# KiCad board servo.kicad_pcb (continued)
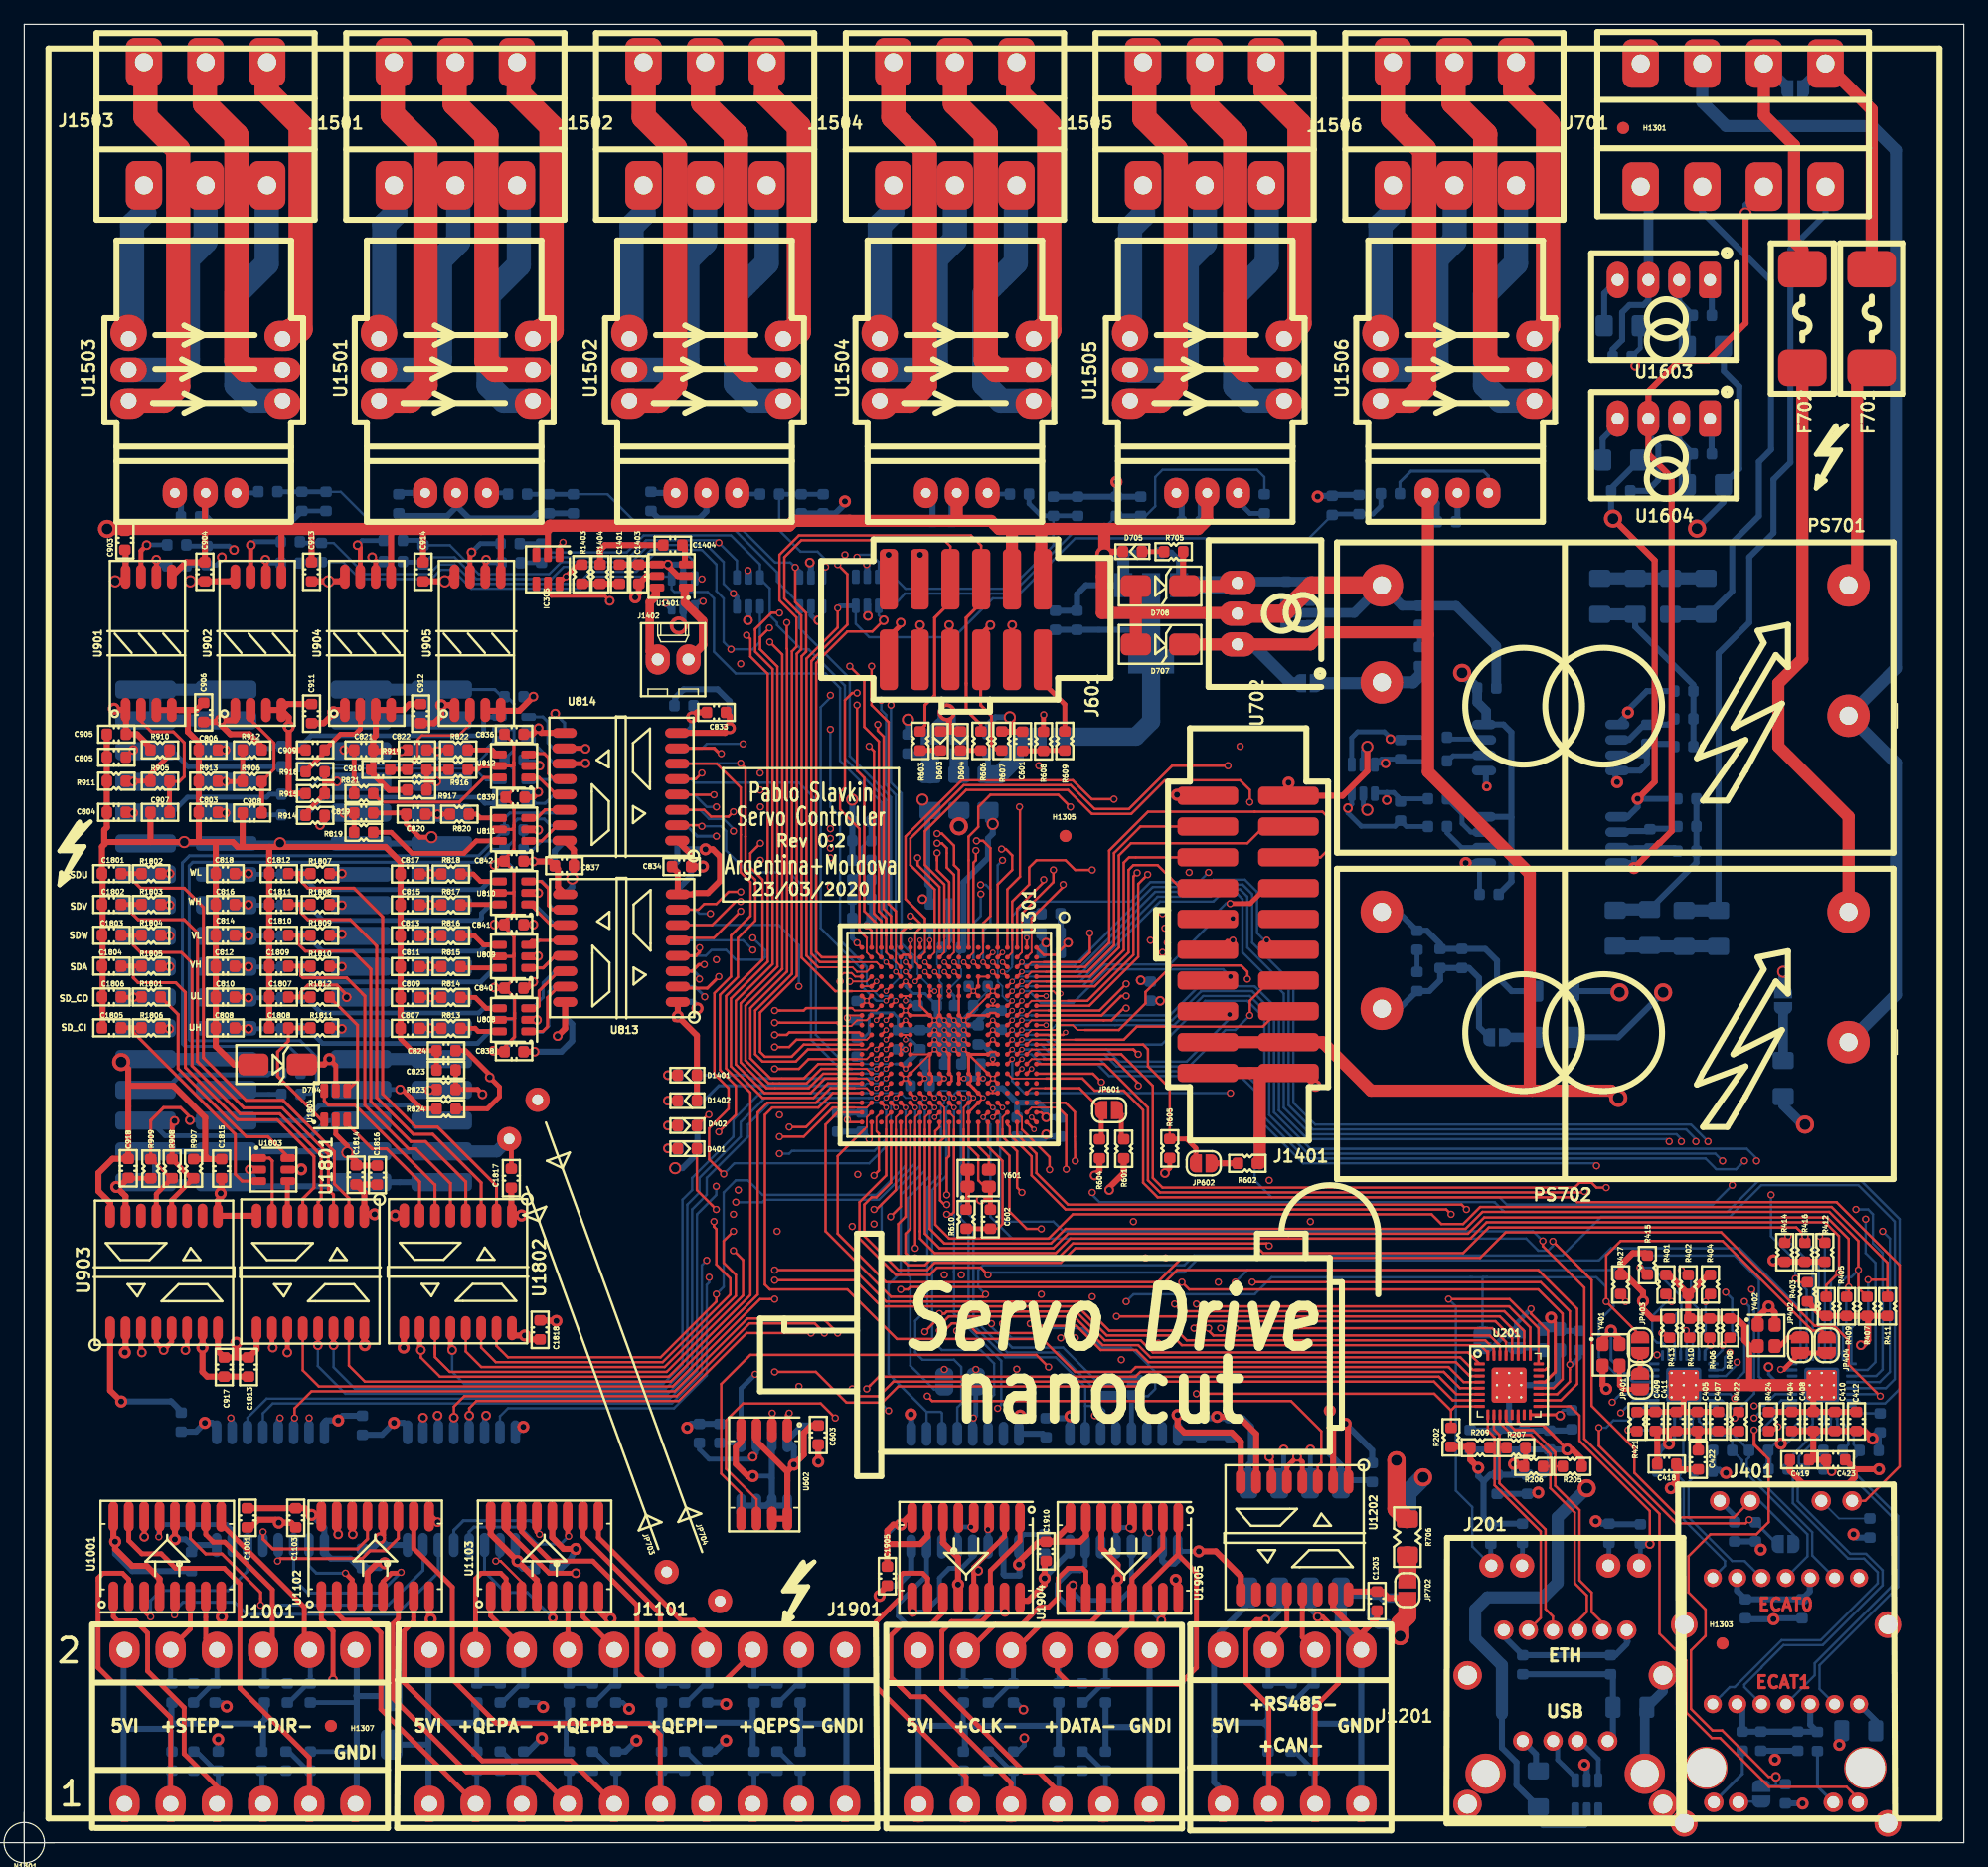
[diagram p0: board, top side]
## Placement (name value [footprint] x y rotation side) (continued)
L1603  50 ohm@100Mhz  [L_1206_3216Metric_Pad1.42x1.75mm_HandSolder]  138.68 123.44 180 bottom
L1604  50 ohm@100Mhz  [L_1206_3216Metric_Pad1.42x1.75mm_HandSolder]  138.68 112.01 180 bottom
logo1301  nanocut  [logo_nanocut]  91.7 40.24 0 top
LOGO1301  Logo_Open_Hardware_Large  [OSHW-Symbol_13.4x12mm_SilkScreen]  62.9 44.64 180 bottom
logo1302  pslavkin_bottom  [logo_pslavkin]  103.1 45.84 0 bottom
logo1303  recycler  [WEEE-Logo_5.6x8mm_SilkScreen]  51 43.44 180 bottom
logo1305  neurona  [logo_neurona_20mm]  63.9 95.04 180 bottom
logo1306  stackup  [layers_stackup]  190.1 143.84 0 top
logo1307  design  [layers_design]  186.9 87.84 0 top
logo1308  pslavkin_top  [logo_pslavkin]  58.9 79.64 0 top
N1301  Housing  [case]  0 0 0 top
PS701  IRM-10-5  [Converter_ACDC_MeanWell_IRM-10-xx_THT]  150.5 92.96 180 top
PS702  IRM-10-5  [Converter_ACDC_MeanWell_IRM-10-xx_THT]  150.5 66.04 180 top
R201  4.87k  [R_0603_1608Metric]  127.66 34.9 270 bottom
R202  10k  [R_0603_1608Metric]  117.7 33.44 270 top
R204  2.2k  [R_0603_1608Metric]  128.3 41.43 90 bottom
R205  49.9  [R_0603_1608Metric]  127.7 31.04 180 top
R206  49.9  [R_0603_1608Metric]  124.5 31.04 0 top
R207  49.9  [R_0603_1608Metric]  123.06 32.59 180 top
R208  2.2k  [R_0603_1608Metric]  133.32 25.48 270 bottom
R209  49.9  [R_0603_1608Metric]  120.09 32.59 0 top
R210  10  [R_1206_3216Metric_Pad1.42x1.75mm_HandSolder]  124.9 4.44 90 bottom
R211  2.2k  [R_0603_1608Metric]  120.98 25.45 270 bottom
R212  470  [R_0603_1608Metric]  130.73 25.53 270 bottom
R213  470  [R_0603_1608Metric]  123.6 25.53 270 bottom
R301  1k  [R_0603_1608Metric]  69.1 81.04 180 bottom
R302  1k(dnp)  [R_0603_1608Metric]  69.1 79.44 180 bottom
R401  2.2k  [R_0603_1608Metric]  135.43 46.05 90 top
R402  2.2k  [R_0603_1608Metric]  137.27 46.05 270 top
R403  2.2k  [R_0603_1608Metric]  147.1 45.44 270 top
R404  2.2k  [R_0603_1608Metric]  139.1 46.05 90 top
R405  2.2k  [R_0603_1608Metric]  148.65 44.24 270 top
R406  2.2k  [R_0603_1608Metric]  139.05 42.44 90 top
R407  2.2k  [R_0603_1608Metric]  152.02 44.24 270 top
R408  2.2k  [R_0603_1608Metric]  140.7 42.44 90 top
R409  2.2k  [R_0603_1608Metric]  150.34 44.24 270 top
R410  2.2k  [R_0603_1608Metric]  137.39 42.44 90 top
R411  2.2k  [R_0603_1608Metric]  153.7 44.24 270 top
R412  2.2k  [R_0603_1608Metric]  148.54 48.72 90 top
R413  2.2k  [R_0603_1608Metric]  135.74 42.44 270 top
R414  2.2k  [R_0603_1608Metric]  145.24 48.72 90 top
R415  2.2k  [R_0603_1608Metric]  133.9 47.65 270 top
R416  2.2k  [R_0603_1608Metric]  146.89 48.72 90 top
R417  4.7k  [R_0603_1608Metric]  57.39 33.77 270 bottom
R418  4.7k  [R_0603_1608Metric]  55.7 33.77 270 bottom
R419  680  [R_0603_1608Metric]  54.75 57.27 0 bottom
R420  680  [R_0603_1608Metric]  54.75 59.2 0 bottom
R421  4.87k  [R_0603_1608Metric]  133.05 34.75 90 top
R422  10k  [R_0603_1608Metric]  141.43 34.75 270 top
R424  4.87k  [R_0603_1608Metric]  143.89 34.75 90 top
R425  10k  [R_0603_1608Metric]  153.1 34.64 270 bottom
R427  2.2k  [R_0603_1608Metric]  131.7 46.05 270 top
R429  49.9  [R_0603_1608Metric]  135.51 30.64 0 bottom
R430  49.9  [R_0603_1608Metric]  144.69 30.82 0 bottom
R431  49.9  [R_0603_1608Metric]  138.5 30.64 180 bottom
R432  49.9  [R_0603_1608Metric]  147.65 30.82 180 bottom
R433  2.2k  [R_0603_1608Metric]  142.81 25.64 90 bottom
R434  2.2k  [R_0603_1608Metric]  145.29 4.04 90 bottom
R435  49.9  [R_0603_1608Metric]  140.11 32.36 0 bottom
R437  49.9  [R_0603_1608Metric]  143.08 32.36 180 bottom
R438  49.9  [R_0603_1608Metric]  149.2 32.36 0 bottom
R440  49.9  [R_0603_1608Metric]  152.18 32.36 180 bottom
R441  470  [R_0603_1608Metric]  147.93 8.36 270 bottom
R442  470  [R_0603_1608Metric]  141.73 8.38 270 bottom
R445  470  [R_0603_1608Metric]  152.25 25.96 90 bottom
R446  470  [R_0603_1608Metric]  141.1 25.64 90 bottom
R601  2.2k  [R_0603_1608Metric]  90.7 57.24 270 top
R602  2.2k  [R_0603_1608Metric]  100.9 56.04 0 top
R603  560  [R_0603_1608Metric]  73.9 90.89 90 top
R604  56k  [R_0603_1608Metric]  88.7 57.24 90 top
R605  56k  [R_0603_1608Metric]  94.5 57.27 90 top
R606  560  [R_0603_1608Metric]  78.92 90.89 270 top
R607  2.2k  [R_0603_1608Metric]  80.65 90.89 90 top
R608  100  [R_0603_1608Metric]  84.09 90.86 270 top
R609  100  [R_0603_1608Metric]  85.84 90.89 90 top
R610  2.2k  [R_0603_1608Metric]  77.7 51.44 270 top
R701  1.2k  [R_0603_1608Metric]  115.1 97.84 90 bottom
R702  1.2k  [R_0603_1608Metric]  114.9 71.04 90 bottom
R703  0  [R_1206_3216Metric_Pad1.42x1.75mm_HandSolder]  126.1 66.44 0 bottom
R704  0  [R_1206_3216Metric_Pad1.42x1.75mm_HandSolder]  126.1 70.24 0 bottom
R705  680  [R_0603_1608Metric]  94.82 106.5 180 top
R706  0  [R_1206_3216Metric_Pad1.42x1.75mm_HandSolder]  114.1 25.21 270 top
R707  0  [R_1206_3216Metric_Pad1.42x1.75mm_HandSolder]  114.1 25.21 270 bottom
R708  0  [R_1206_3216Metric_Pad1.42x1.75mm_HandSolder]  145.1 63.04 270 bottom
R801  22  [R_0603_1608Metric]  22 79.88 180 bottom
R802  22  [R_0603_1608Metric]  22 77.33 180 bottom
R803  22  [R_0603_1608Metric]  22 74.79 180 bottom
R804  22  [R_0603_1608Metric]  22 72.24 180 bottom
R805  22  [R_0603_1608Metric]  22 69.69 180 bottom
R806  22  [R_0603_1608Metric]  22 67.14 180 bottom
R807  22  [R_0603_1608Metric]  22 90.44 180 bottom
R808  22  [R_0603_1608Metric]  22 88.76 180 bottom
R809  22  [R_0603_1608Metric]  22 86.49 180 bottom
R810  22  [R_0603_1608Metric]  22 84.79 180 bottom
R811  22  [R_0603_1608Metric]  22 63.47 180 bottom
R812  22  [R_0603_1608Metric]  22 61.74 180 bottom
R813  22  [R_0603_1608Metric]  35.2 67.18 0 top
R814  22  [R_0603_1608Metric]  35.2 69.72 0 top
R815  22  [R_0603_1608Metric]  35.2 72.27 0 top
R816  22  [R_0603_1608Metric]  35.2 74.81 0 top
R817  22  [R_0603_1608Metric]  35.2 77.36 0 top
R818  22  [R_0603_1608Metric]  35.2 79.91 0 top
R819  22  [R_0603_1608Metric]  28 83.34 0 top
R820  22  [R_0603_1608Metric]  35.9 84.84 0 top
R821  22  [R_0603_1608Metric]  28 86.54 0 top
R822  22  [R_0603_1608Metric]  35.8 90.14 0 top
R823  22  [R_0603_1608Metric]  34.8 62.14 0 top
R824  22  [R_0603_1608Metric]  34.8 60.54 0 top
R901  560  [R_0603_1608Metric]  12.59 107.06 0 bottom
R902  560  [R_0603_1608Metric]  12.59 105.34 0 bottom
R903  560  [R_0603_1608Metric]  21.95 107.31 0 bottom
R904  560  [R_0603_1608Metric]  21.95 105.56 0 bottom
R905  1k  [R_0603_1608Metric]  11.2 87.56 180 top
R906  1k  [R_0603_1608Metric]  18.8 87.54 180 top
R907  2.2k  [R_0603_1608Metric]  13.97 55.6 270 top
R908  120(dnp)  [R_0603_1608Metric]  12.2 55.6 270 top
R909  10k  [R_0603_1608Metric]  10.44 55.6 270 top
R910  18k  [R_0603_1608Metric]  11.2 90.14 0 top
R911  100k  [R_0603_1608Metric]  7.6 87.56 180 top
R912  18k  [R_0603_1608Metric]  18.8 90.14 180 top
R913  100k  [R_0603_1608Metric]  15.19 87.56 180 top
R914  18k  [R_0603_1608Metric]  24 84.74 180 top
R915  100k  [R_0603_1608Metric]  24 86.54 180 top
R916  18k  [R_0603_1608Metric]  35.8 88.54 180 top
R917  100k  [R_0603_1608Metric]  32.4 86.84 180 top
R918  1k  [R_0603_1608Metric]  24 88.34 0 top
R919  1k  [R_0603_1608Metric]  32.4 88.54 0 top
R920  560  [R_0603_1608Metric]  30.44 107.42 0 bottom
R921  560  [R_0603_1608Metric]  30.44 105.69 0 bottom
R922  560  [R_0603_1608Metric]  40.09 107.16 0 bottom
R923  560  [R_0603_1608Metric]  40.16 105.59 0 bottom
R1001  10k  [R_0603_1608Metric]  12.19 6.74 270 bottom
R1002  10k  [R_0603_1608Metric]  14 6.74 90 bottom
R1003  10k  [R_0603_1608Metric]  16 6.74 90 bottom
R1004  10k  [R_0603_1608Metric]  19.6 6.74 270 bottom
R1005  10k  [R_0603_1608Metric]  21.6 6.74 90 bottom
R1006  10k  [R_0603_1608Metric]  23.6 6.74 90 bottom
R1007  10k  [R_0603_1608Metric]  19.81 12.35 90 bottom
R1008  10k  [R_0603_1608Metric]  21.71 12.35 270 bottom
R1009  10k  [R_0603_1608Metric]  23.6 12.35 270 bottom
R1010  10k  [R_0603_1608Metric]  12.19 12.35 90 bottom
R1011  10k  [R_0603_1608Metric]  13.97 12.35 270 bottom
R1012  10k  [R_0603_1608Metric]  15.75 12.35 270 bottom
R1101  10k  [R_0603_1608Metric]  37.34 6.74 270 bottom
R1102  10k  [R_0603_1608Metric]  39.27 6.74 90 bottom
R1103  10k  [R_0603_1608Metric]  41.2 6.74 90 bottom
R1104  10k  [R_0603_1608Metric]  44.96 6.74 270 bottom
R1105  10k  [R_0603_1608Metric]  46.88 6.74 90 bottom
R1106  10k  [R_0603_1608Metric]  48.8 6.74 90 bottom
R1107  10k  [R_0603_1608Metric]  52.58 6.74 270 bottom
R1108  10k  [R_0603_1608Metric]  54.48 6.74 90 bottom
R1109  10k  [R_0603_1608Metric]  56.39 6.74 90 bottom
R1110  10k  [R_0603_1608Metric]  60.2 6.74 270 bottom
R1111  10k  [R_0603_1608Metric]  62.1 6.74 90 bottom
R1112  10k  [R_0603_1608Metric]  64.01 6.74 90 bottom
R1113  10k  [R_0603_1608Metric]  60.2 12.35 90 bottom
R1114  10k  [R_0603_1608Metric]  62.1 12.35 270 bottom
R1115  10k  [R_0603_1608Metric]  64.01 12.35 270 bottom
R1116  10k  [R_0603_1608Metric]  52.58 12.35 90 bottom
R1117  10k  [R_0603_1608Metric]  54.48 12.35 270 bottom
R1118  10k  [R_0603_1608Metric]  56.39 12.35 270 bottom
R1119  10k  [R_0603_1608Metric]  44.96 12.35 90 bottom
R1120  10k  [R_0603_1608Metric]  46.88 12.35 270 bottom
R1121  10k  [R_0603_1608Metric]  48.8 12.35 270 bottom
R1122  10k  [R_0603_1608Metric]  37.34 12.35 90 bottom
R1123  10k  [R_0603_1608Metric]  39.27 12.35 270 bottom
R1124  10k  [R_0603_1608Metric]  41.2 12.35 270 bottom
R1201  10k  [R_0603_1608Metric]  102.62 6.74 270 bottom
R1202  10k  [R_0603_1608Metric]  104.51 6.74 90 bottom
R1203  10k  [R_0603_1608Metric]  106.4 6.74 90 bottom
R1204  10k  [R_0603_1608Metric]  102.62 12.35 90 bottom
R1205  10k  [R_0603_1608Metric]  104.51 12.35 270 bottom
R1206  10k  [R_0603_1608Metric]  106.4 12.35 270 bottom
R1401  560  [R_0603_1608Metric]  54.75 63.32 0 bottom
R1402  560  [R_0603_1608Metric]  54.75 61.21 0 bottom
R1403  1k  [R_0603_1608Metric]  46 104.64 270 top
R1404  100  [R_0603_1608Metric]  47.5 104.64 90 top
R1501  3.3k  [R_0603_1608Metric]  40.7 111.24 0 bottom
R1502  6.8k  [R_0603_1608Metric]  45.3 110.44 270 bottom
R1503  3.3k  [R_0603_1608Metric]  61.49 111.24 0 bottom
R1504  6.8k  [R_0603_1608Metric]  65.9 110.44 270 bottom
R1505  3.3k  [R_0603_1608Metric]  20.1 111.44 0 bottom
R1506  6.8k  [R_0603_1608Metric]  22.9 110.64 270 bottom
R1507  3.3k  [R_0603_1608Metric]  82.1 111.24 0 bottom
R1508  6.8k  [R_0603_1608Metric]  86.9 110.24 90 bottom
R1509  3.3k  [R_0603_1608Metric]  102.3 110.44 90 bottom
R1510  6.8k  [R_0603_1608Metric]  90.1 110.24 90 bottom
R1511  3.3k  [R_0603_1608Metric]  112.7 111.28 180 bottom
R1512  6.8k  [R_0603_1608Metric]  110.11 110.39 90 bottom
R1601  560  [R_0603_1608Metric]  116.59 91.19 0 bottom
R1602  560  [R_0603_1608Metric]  116.59 89.24 0 bottom
R1603  560  [R_0603_1608Metric]  116.59 86.11 0 bottom
R1604  560  [R_0603_1608Metric]  116.59 83.82 0 bottom
R1605  1k  [R_0603_1608Metric]  136.91 92.71 0 bottom
R1606  1k  [R_0603_1608Metric]  137.16 83.82 0 bottom
R1607  1k(dnp)  [R_0603_1608Metric]  136.91 95 0 bottom
R1608  3.3k  [R_0603_1608Metric]  136.91 90.42 180 bottom
R1609  1k(dnp)  [R_0603_1608Metric]  137.16 86.11 0 bottom
R1610  3.3k  [R_0603_1608Metric]  137.16 81.79 180 bottom
R1611  1M  [R_1206_3216Metric_Pad1.42x1.75mm_HandSolder]  129.98 102.81 90 bottom
R1612  1M  [R_1206_3216Metric_Pad1.42x1.75mm_HandSolder]  132.9 102.81 90 bottom
R1613  1M  [R_1206_3216Metric_Pad1.42x1.75mm_HandSolder]  135.82 102.81 270 bottom
R1614  1M  [R_1206_3216Metric_Pad1.42x1.75mm_HandSolder]  134.09 75.5 270 bottom
R1615  1M  [R_1206_3216Metric_Pad1.42x1.75mm_HandSolder]  131.25 75.44 270 bottom
R1616  1M  [R_1206_3216Metric_Pad1.42x1.75mm_HandSolder]  138.74 102.81 270 bottom
R1617  1M  [R_1206_3216Metric_Pad1.42x1.75mm_HandSolder]  136.93 75.42 90 bottom
R1618  1M  [R_1206_3216Metric_Pad1.42x1.75mm_HandSolder]  139.77 75.42 90 bottom
R1801  10  [R_0603_1608Metric]  10.46 69.76 180 top
R1802  10  [R_0603_1608Metric]  10.46 79.94 0 top
R1803  10  [R_0603_1608Metric]  10.46 77.4 0 top
R1804  10  [R_0603_1608Metric]  10.46 74.85 0 top
R1805  10  [R_0603_1608Metric]  10.46 72.31 0 top
R1806  10  [R_0603_1608Metric]  10.46 67.22 0 top
R1807  10  [R_0603_1608Metric]  24.4 79.94 0 top
R1808  10  [R_0603_1608Metric]  24.4 77.39 0 top
R1809  10  [R_0603_1608Metric]  24.4 74.85 0 top
R1810  10  [R_0603_1608Metric]  24.4 72.3 0 top
R1811  10  [R_0603_1608Metric]  24.4 67.21 0 top
R1812  10  [R_0603_1608Metric]  24.4 69.75 180 top
R1903  10k  [R_0603_1608Metric]  85.34 12.35 90 bottom
R1904  1k  [R_0603_1608Metric]  87.27 12.35 270 bottom
R1905  10k  [R_0603_1608Metric]  89.2 12.35 270 bottom
R1906  10k  [R_0603_1608Metric]  77.47 12.35 90 bottom
R1907  1k  [R_0603_1608Metric]  79.53 12.35 270 bottom
R1908  10k  [R_0603_1608Metric]  81.6 12.35 270 bottom
R1911  10k  [R_0603_1608Metric]  77.47 6.74 270 bottom
R1912  1k  [R_0603_1608Metric]  79.53 6.74 90 bottom
R1913  10k  [R_0603_1608Metric]  81.6 6.74 90 bottom
R1914  10k  [R_0603_1608Metric]  85.34 6.74 270 bottom
R1915  1k  [R_0603_1608Metric]  87.27 6.74 90 bottom
R1916  10k  [R_0603_1608Metric]  89.2 6.74 90 bottom
ref1301  kicad  [KiCad-Logo_6mm_SilkScreen]  109.5 52.44 180 bottom
ref1302  high_voltage  [Symbol_Highvoltage_Type1_CopperTop_Small]  148.2 113.74 0 top
ref1303  high_voltage  [Symbol_Highvoltage_Type1_CopperTop_Small]  63 20 0 top
ref1304  high_voltage  [Symbol_Highvoltage_Type1_CopperTop_Small]  149 85 0 bottom
ref1305  high_voltage  [Symbol_Highvoltage_Type1_CopperTop_Small]  3.3 81.04 0 top
U201  DP83822  [QFN-32-1EP_5x5mm_P0.5mm_EP2.9x2.9mm_ThermalVias]  122.49 37.75 0 top
U301  TMS320F28388DZWTS  [BGA337CP80_19X19_1600X1600X140B50N]  76.3 66.64 270 top
U401  CAT24C16WI  [SOIC-8_3.9x4.9mm_P1.27mm]  61.04 30.51 90 bottom
U402  DP83822  [QFN-32-1EP_5x5mm_P0.5mm_EP2.9x2.9mm_ThermalVias]  136.9 37.75 180 bottom
U403  DP83822  [QFN-32-1EP_5x5mm_P0.5mm_EP2.9x2.9mm_ThermalVias]  148.29 37.75 180 bottom
U602  SST26VF032B-104V/SM (M25PX32-VMW)  [SOIJ-8_5.3x5.3mm_P1.27mm]  61.04 30.38 270 top
U702  R-78B3.3-2.0  Reg sw 3.3v 2A  [Converter_DCDC_RECOM_R-78B3.3-2.0_THT]  100.1 98.84 90 top
U706  AP2114 Reg linear 1.2v 1A  [SOT-223]  92.96 100.58 270 bottom
U801  SI8660BD  [SOIC-16W_7.5x10.3mm_P1.27mm]  49.28 73.8 180 bottom
U802  SI8662BD  [SOIC-16W_7.5x10.3mm_P1.27mm]  49.23 87.07 180 bottom
U803  SN74LVC2G17DBVR  [SOT-23-6]  40.41 78.36 180 bottom
U804  SN74LVC2G17DBVR  [SOT-23-6]  40.41 73.13 180 bottom
U805  SN74LVC2G17DBVR  [SOT-23-6]  40.41 67.9 180 bottom
U806  SN74LVC2G17DBVR  [SOT-23-6]  40.41 91.92 180 bottom
U807  SN74LVC2G17DBVR  [SOT-23-6]  40.41 86.69 180 bottom
U808  SN74LVC2G17DBVR  [SOT-23-6]  40.41 67.87 180 top
U809  SN74LVC2G17DBVR  [SOT-23-6]  40.41 73.11 180 top
U810  SN74LVC2G17DBVR  [SOT-23-6]  40.41 78.35 180 top
U811  SN74LVC2G17DBVR  [SOT-23-6]  40.41 83.58 180 top
U812  SN74LVC2G17DBVR  [SOT-23-6]  40.41 88.82 180 top
U813  SI8660BD  [SOIC-16W_7.5x10.3mm_P1.27mm]  49.27 73.79 180 top
U814  SI8662BD  [SOIC-16W_7.5x10.3mm_P1.27mm]  49.22 87.1 180 top
U901  AMC1311B  [SSO-8_7.6x5.9mm_P1.27mm_Clearance9.1mm]  10.27 98.94 90 top
U902  AMC1311B  [SSO-8_7.6x5.9mm_P1.27mm_Clearance9.1mm]  19.31 98.94 90 top
U903  ADM2483  [SOIC-16W_7.5x10.3mm_P1.27mm]  11.53 47.07 90 top
U904  AMC1311B  [SSO-8_7.6x5.9mm_P1.27mm_Clearance9.1mm]  28.36 98.94 90 top
U905  AMC1311B  [SSO-8_7.6x5.9mm_P1.27mm_Clearance9.1mm]  37.4 98.94 90 top
U1001  AM26LS32A  [SOIC-16W_5.3x10.2mm_P1.27mm]  11.8 23.6 90 top
U1101  SI8660BD  [SOIC-16W_7.5x10.3mm_P1.27mm]  20.32 29.21 90 bottom
U1102  AM26LS32A  [SOIC-16W_5.3x10.2mm_P1.27mm]  28.96 23.62 90 top
U1103  AM26LS32A  [SOIC-16W_5.3x10.2mm_P1.27mm]  42.93 23.62 90 top
U1104  SI8660BD  [SOIC-16W_7.5x10.3mm_P1.27mm]  36.07 29.21 90 bottom
U1201  ISO1050  [SSO-8_6.7x9.8mm_P2.54mm_Clearance8mm]  104.8 25.14 270 bottom
U1202  ADM2483  [SOIC-16W_7.5x10.3mm_P1.27mm]  104.8 25.14 270 top
U1401  PAM8301  [SOT-23-6]  53.4 104.49 180 top
U1501  LXS6-NPS  [LEM_LXS-NP]  29.27 118.96 90 top
U1502  LXS6-NPS  [LEM_LXS-NP]  49.92 118.96 90 top
U1503  LXS6-NPS  [LEM_LXS-NP]  8.61 118.96 90 top
U1504  LXS6-NPS  [LEM_LXS-NP]  70.57 118.96 90 top
U1505  LXS6-NPS  [LEM_LXS-NP]  91.23 118.96 90 top
U1506  LXS6-NPS  [LEM_LXS-NP]  111.88 118.96 90 top
U1601  AMC1311B  [SSO-8_7.6x5.9mm_P1.27mm_Clearance9.1mm]  125.92 90.34 180 bottom
U1602  AMC1311B  [SSO-8_7.6x5.9mm_P1.27mm_Clearance9.1mm]  125.92 82.72 180 bottom
U1603  DC/DC 5V 1W RFM-0505S  [rfm0505]  139.06 128.91 180 top
U1604  DC/DC 5V 1W RFM-0505S  [rfm0505]  139.06 117.47 180 top
U1801  SI8661BD  [SOIC-16W_7.5x10.3mm_P1.27mm]  23.61 47.07 270 top
U1802  SI8661BD  [SOIC-16W_7.5x10.3mm_P1.27mm]  35.79 47.09 270 top
U1803  SN74LVC2G17DBVR  [SOT-23-6]  20.55 55.52 0 top
U1804  SN74LVC2G17DBVR  [SOT-23-6]  25.7 60.84 90 top
U1901  SI8662BD  [SOIC-16W_7.5x10.3mm_P1.27mm]  77.61 29.08 270 bottom
U1904  SN75C1168NSR  [SOIC-16W_5.3x10.2mm_P1.27mm]  77.7 23.51 270 top
U1905  SN75C1168NSR  [SOIC-16W_5.3x10.2mm_P1.27mm]  90.75 23.5 270 top
U1908  SI8662BD  [SOIC-16W_7.5x10.3mm_P1.27mm]  90.7 29.08 270 bottom
Y201  osc 25Mhz  [Crystal_SMD_2520-4Pin_2.5x2.0mm]  126 41.5 270 bottom
Y401  osc 25Mhz  [Crystal_SMD_2520-4Pin_2.5x2.0mm]  130.9 40.24 270 top
Y402  osc 25Mhz  [Crystal_SMD_2520-4Pin_2.5x2.0mm]  143.7 41.84 270 top
Y601  osc 25Mhz  [Crystal_SMD_2520-4Pin_2.5x2.0mm]  78.7 54.82 0 top

## Footprints (pads in the part's own frame, mm; a bottom-side part is the same pattern mirrored in y, then rotated)
BEL_0821-1X1T-36-F
  round 1.6 hole 1: 1(-3.505,0) 2(-1.005,0) 3(1.005,0) 4(3.505,0) 7(5.075,9.14) 8(3.045,9.14) 9(1.015,9.14) 10(-1.015,9.14) 11(-3.045,9.14) 12(-5.075,9.14)
  round 2.355 hole 1.57: 5(8.055,5.41) 6(-8.055,5.41) 19(-8.065,-5.21) 20(8.065,-5.21)
  round 2 hole 1: 13(6.095,14.47) 14(3.555,14.47) 15(-3.555,14.47) 16(-6.095,14.47)
  round 3.326 hole 2.31: 17(-6.565,-2.7) 18(6.565,-2.7)
BGA337CP80_19X19_1600X1600X140B50N
  round 0.4 smd: A1(-7.2,7.2) A2(-6.4,7.2) A3(-5.6,7.2) A4(-4.8,7.2) A5(-4,7.2) A6(-3.2,7.2) A7(-2.4,7.2) A8(-1.6,7.2) A9(-0.8,7.2) A10(0,7.2) A11(0.8,7.2) A12(1.6,7.2) A13(2.4,7.2) A14(3.2,7.2) A15(4,7.2) A16(4.8,7.2) A17(5.6,7.2) A18(6.4,7.2) A19(7.2,7.2) B1(-7.2,6.4) B2(-6.4,6.4) B3(-5.6,6.4) B4(-4.8,6.4) B5(-4,6.4) B6(-3.2,6.4) B7(-2.4,6.4) B8(-1.6,6.4) B9(-0.8,6.4) B10(0,6.4) B11(0.8,6.4) B12(1.6,6.4) B13(2.4,6.4) B14(3.2,6.4) B15(4,6.4) B16(4.8,6.4) B17(5.6,6.4) B18(6.4,6.4) B19(7.2,6.4) C1(-7.2,5.6) C2(-6.4,5.6) C3(-5.6,5.6) C4(-4.8,5.6) C5(-4,5.6) C6(-3.2,5.6) C7(-2.4,5.6) C8(-1.6,5.6) C9(-0.8,5.6) C10(0,5.6) C11(0.8,5.6) C12(1.6,5.6) C13(2.4,5.6) C14(3.2,5.6) C15(4,5.6) C16(4.8,5.6) C17(5.6,5.6) C18(6.4,5.6) C19(7.2,5.6) D1(-7.2,4.8) D2(-6.4,4.8) D3(-5.6,4.8) D4(-4.8,4.8) D5(-4,4.8) D6(-3.2,4.8) D7(-2.4,4.8) D8(-1.6,4.8) D9(-0.8,4.8) D10(0,4.8) D11(0.8,4.8) D12(1.6,4.8) D13(2.4,4.8) D14(3.2,4.8) D15(4,4.8) D16(4.8,4.8) D17(5.6,4.8) D18(6.4,4.8) D19(7.2,4.8) E1(-7.2,4) E2(-6.4,4) E3(-5.6,4) E4(-4.8,4) E5(-4,4) E6(-3.2,4) E7(-2.4,4) E8(-1.6,4) E9(-0.8,4) E10(0,4) E11(0.8,4) E12(1.6,4) E13(2.4,4) E14(3.2,4) E15(4,4) E16(4.8,4) E17(5.6,4) E18(6.4,4) E19(7.2,4) F1(-7.2,3.2) F2(-6.4,3.2) F3(-5.6,3.2) F4(-4.8,3.2) F5(-4,3.2) F6(-3.2,3.2) F7(-2.4,3.2) F8(-1.6,3.2) F9(-0.8,3.2) F10(0,3.2) F11(0.8,3.2) F12(1.6,3.2) F13(2.4,3.2) F14(3.2,3.2) F15(4,3.2) F16(4.8,3.2) F17(5.6,3.2) F18(6.4,3.2) F19(7.2,3.2) G1(-7.2,2.4) G2(-6.4,2.4) G3(-5.6,2.4) G4(-4.8,2.4) G5(-4,2.4) G6(-3.2,2.4) G14(3.2,2.4) G15(4,2.4) G16(4.8,2.4) G17(5.6,2.4) G18(6.4,2.4) G19(7.2,2.4) H1(-7.2,1.6) H2(-6.4,1.6) H3(-5.6,1.6) H4(-4.8,1.6) H5(-4,1.6) H6(-3.2,1.6) H8(-1.6,1.6) H9(-0.8,1.6) H10(0,1.6) H11(0.8,1.6) H12(1.6,1.6) H14(3.2,1.6) H15(4,1.6) H16(4.8,1.6) H17(5.6,1.6) H18(6.4,1.6) H19(7.2,1.6) J1(-7.2,0.8) J2(-6.4,0.8) J3(-5.6,0.8) J4(-4.8,0.8) J5(-4,0.8) J6(-3.2,0.8) J8(-1.6,0.8) J9(-0.8,0.8) J10(0,0.8) J11(0.8,0.8) J12(1.6,0.8) J14(3.2,0.8) J15(4,0.8) J16(4.8,0.8) J17(5.6,0.8) J18(6.4,0.8) J19(7.2,0.8) K1(-7.2,0) K2(-6.4,0) K3(-5.6,0) K4(-4.8,0) K5(-4,0) K6(-3.2,0) K8(-1.6,0) K9(-0.8,0) K10(0,0) K11(0.8,0) K12(1.6,0) K14(3.2,0) K15(4,0) K16(4.8,0) K17(5.6,0) K18(6.4,0) K19(7.2,0) L1(-7.2,-0.8) L2(-6.4,-0.8) L3(-5.6,-0.8) L4(-4.8,-0.8) L5(-4,-0.8) L6(-3.2,-0.8) L8(-1.6,-0.8) L9(-0.8,-0.8) L10(0,-0.8) L11(0.8,-0.8) L12(1.6,-0.8) L14(3.2,-0.8) L15(4,-0.8) L16(4.8,-0.8) L17(5.6,-0.8) L18(6.4,-0.8) L19(7.2,-0.8) M1(-7.2,-1.6) M2(-6.4,-1.6) M3(-5.6,-1.6) M4(-4.8,-1.6) M5(-4,-1.6) M6(-3.2,-1.6) M8(-1.6,-1.6) M9(-0.8,-1.6) M10(0,-1.6) M11(0.8,-1.6) M12(1.6,-1.6) M14(3.2,-1.6) M15(4,-1.6) M16(4.8,-1.6) M17(5.6,-1.6) M18(6.4,-1.6) M19(7.2,-1.6) N1(-7.2,-2.4) N2(-6.4,-2.4) N3(-5.6,-2.4) N4(-4.8,-2.4) N5(-4,-2.4) N6(-3.2,-2.4) N14(3.2,-2.4) N15(4,-2.4) N16(4.8,-2.4) N17(5.6,-2.4) N18(6.4,-2.4) N19(7.2,-2.4) P1(-7.2,-3.2) P2(-6.4,-3.2) P3(-5.6,-3.2) P4(-4.8,-3.2) P5(-4,-3.2) P6(-3.2,-3.2) P7(-2.4,-3.2) P8(-1.6,-3.2) P9(-0.8,-3.2) P10(0,-3.2) P11(0.8,-3.2) P12(1.6,-3.2) P13(2.4,-3.2) P14(3.2,-3.2) P15(4,-3.2) P16(4.8,-3.2) P17(5.6,-3.2) P18(6.4,-3.2) P19(7.2,-3.2) R1(-7.2,-4) R2(-6.4,-4) R3(-5.6,-4) R4(-4.8,-4) R5(-4,-4) R6(-3.2,-4) R7(-2.4,-4) R8(-1.6,-4) R9(-0.8,-4) R10(0,-4) R11(0.8,-4) R12(1.6,-4) R13(2.4,-4) R14(3.2,-4) R15(4,-4) R16(4.8,-4) R17(5.6,-4) R18(6.4,-4) R19(7.2,-4) T1(-7.2,-4.8) T2(-6.4,-4.8) T3(-5.6,-4.8) T4(-4.8,-4.8) T5(-4,-4.8) T6(-3.2,-4.8) T7(-2.4,-4.8) T8(-1.6,-4.8) T9(-0.8,-4.8) T10(0,-4.8) T11(0.8,-4.8) T12(1.6,-4.8) T13(2.4,-4.8) T14(3.2,-4.8) T15(4,-4.8) T16(4.8,-4.8) T17(5.6,-4.8) T18(6.4,-4.8) T19(7.2,-4.8) U1(-7.2,-5.6) U2(-6.4,-5.6) U3(-5.6,-5.6) U4(-4.8,-5.6) U5(-4,-5.6) U6(-3.2,-5.6) U7(-2.4,-5.6) U8(-1.6,-5.6) U9(-0.8,-5.6) U10(0,-5.6) U11(0.8,-5.6) U12(1.6,-5.6) U13(2.4,-5.6) U14(3.2,-5.6) U15(4,-5.6) U16(4.8,-5.6) U17(5.6,-5.6) U18(6.4,-5.6) U19(7.2,-5.6) V1(-7.2,-6.4) V2(-6.4,-6.4) V3(-5.6,-6.4) V4(-4.8,-6.4) V5(-4,-6.4) V6(-3.2,-6.4) V7(-2.4,-6.4) V8(-1.6,-6.4) V9(-0.8,-6.4) V10(0,-6.4) V11(0.8,-6.4) V12(1.6,-6.4) V13(2.4,-6.4) V14(3.2,-6.4) V15(4,-6.4) V16(4.8,-6.4) V17(5.6,-6.4) V18(6.4,-6.4) V19(7.2,-6.4) W1(-7.2,-7.2) W2(-6.4,-7.2) W3(-5.6,-7.2) W4(-4.8,-7.2) W5(-4,-7.2) W6(-3.2,-7.2) W7(-2.4,-7.2) W8(-1.6,-7.2) W9(-0.8,-7.2) W10(0,-7.2) W11(0.8,-7.2) W12(1.6,-7.2) W13(2.4,-7.2) W14(3.2,-7.2) W15(4,-7.2) W16(4.8,-7.2) W17(5.6,-7.2) W18(6.4,-7.2) W19(7.2,-7.2)
C_0603_1608Metric
  rrect 0.875x0.95 smd: 1(-0.787,0) 2(0.787,0)
C_1206_3216Metric
  rrect 1.25x1.75 smd: 1(-1.4,0) 2(1.4,0)
Converter_ACDC_MeanWell_IRM-10-xx_THT
  round 3.5 hole 1.5: 1(0,-10.75) 2(0,0) 3(38.5,-10.75) 4(38.5,-2.75)
Converter_DCDC_RECOM_R-78B3.3-2.0_THT
  oval 2x3 hole 1: 1(0,0) 2(2.54,0) 3(5.08,0)
Crystal_SMD_2520-4Pin_2.5x2.0mm
  rrect 1.15x1 smd: 1(-0.875,-0.7) 2(0.875,-0.7) 3(0.875,0.7) 4(-0.875,0.7)
D_SMA
  rrect 2.5x1.8 smd: 1(-2,0) 2(2,0)
Fiducial_1mm_Dia_2.54mm_Outer_CopperTop
  round 1 smd: (0,0)
fuse_3912
  rrect 3x4 smd: 1(-4.064,0) 2(4.064,0)
idc2x06_smd
  rrect 5x1.5 smd: 1(-2.525,6.35) 2(2.525,6.35) 3(-2.525,3.81) 4(2.525,3.81) 5(-2.525,1.27) 6(2.525,1.27) 7(-2.525,-1.27) 8(2.525,-1.27) 9(-2.525,-3.81) 10(2.525,-3.81) 11(-2.525,-6.35) 12(2.525,-6.35)
idc2x10_smd
  rrect 5x1.5 smd: 1(-2.525,11.43) 2(2.525,11.43) 3(-2.525,8.89) 4(2.525,8.89) 5(-2.525,6.35) 6(2.525,6.35) 7(-2.525,3.81) 8(2.525,3.81) 9(-2.525,1.27) 10(2.525,1.27) 11(-2.525,-1.27) 12(2.525,-1.27) 13(-2.525,-3.81) 14(2.525,-3.81) 15(-2.525,-6.35) 16(2.525,-6.35) 17(-2.525,-8.89) 18(2.525,-8.89) 19(-2.525,-11.43) 20(2.525,-11.43)
idc2x17_smd
  rrect 5x1.5 smd: 1(-2.525,20.32) 2(2.525,20.32) 3(-2.525,17.78) 4(2.525,17.78) 5(-2.525,15.24) 6(2.525,15.24) 7(-2.525,12.7) 8(2.525,12.7) 9(-2.525,10.16) 10(2.525,10.16) 11(-2.525,7.62) 12(2.525,7.62) 13(-2.525,5.08) 14(2.525,5.08) 15(-2.525,2.54) 16(2.525,2.54) 17(-2.525,0) 18(2.525,0) 19(-2.525,-2.54) 20(2.525,-2.54) 25(-2.525,-10.16) 26(2.525,-10.16) 27(-2.525,-12.7) 28(2.525,-12.7) 29(-2.525,-15.24) 30(2.525,-15.24) 31(-2.525,-17.78) 32(2.525,-17.78) 33(-2.525,-20.32) 34(2.525,-20.32)
  rrect 5x1.2 smd: 21(-2.525,-5.08) 22(2.525,-5.08) 23(-2.525,-7.62) 24(2.525,-7.62)
idc2x17_smd#2
  rrect 5x1.5 smd: 1(-2.525,20.32) 2(2.525,20.32) 3(-2.525,17.78) 4(2.525,17.78) 5(-2.525,15.24) 6(2.525,15.24) 7(-2.525,12.7) 8(2.525,12.7) 9(-2.525,10.16) 11(-2.525,7.62) 13(-2.525,5.08) 14(2.525,5.08) 15(-2.525,2.54) 16(2.525,2.54) 17(-2.525,0) 18(2.525,0) 19(-2.525,-2.54) 20(2.525,-2.54) 21(-2.525,-5.08) 23(-2.525,-7.62) 25(-2.525,-10.16) 26(2.525,-10.16) 27(-2.525,-12.7) 28(2.525,-12.7) 29(-2.525,-15.24) 30(2.525,-15.24) 31(-2.525,-17.78) 32(2.525,-17.78) 33(-2.525,-20.32) 34(2.525,-20.32)
  rrect 5x1.2 smd: 10(2.525,10.16) 12(2.525,7.62) 22(2.525,-5.08) 24(2.525,-7.62)
L_1206_3216Metric_Pad1.42x1.75mm_HandSolder
  rrect 1.425x1.75 smd: 1(-1.488,0) 2(1.488,0)
LED_0603_1608Metric
  rrect 0.875x0.95 smd: 1(-0.787,0) 2(0.787,0)
LEM_LXS-NP
  oval 2.5x3 hole 1.3: 1(0,0) 4(5.08,-12.7) 6(0,-12.7)
  oval 2x3 hole 1.3: 2(2.54,0) 5(2.54,-12.7)
  oval 3x3 hole 1.3: 3(5.08,0)
  oval 2.5x2 hole 0.8: 7(-7.625,-8.895) 8(-7.625,-6.355) 9(-7.625,-3.815)
Molex_KK-254_AE-6410-02A_1x02_P2.54mm_Vertical
  oval 2x2.5 hole 1: 1(0,0) 2(2.54,0)
QFN-32-1EP_5x5mm_P0.5mm_EP2.9x2.9mm_ThermalVias
  custom 0.443x0.443 smd: (-1.275,1.275) (-1.275,-1.275) (1.275,1.275) (1.275,-1.275)
  custom 0.443x0.806 smd: (-1.275,0.5) (-1.275,-0.5) (1.275,0.5) (1.275,-0.5)
  custom 0.806x0.443 smd: (-0.5,1.275) (-0.5,-1.275) (0.5,1.275) (0.5,-1.275)
  rrect 0.806x0.806 smd: (-0.5,0.5) (-0.5,-0.5) (0.5,0.5) (0.5,-0.5)
  rrect 0.875x0.25 smd: 1(-2.438,1.75) 2(-2.438,1.25) 3(-2.438,0.75) 4(-2.438,0.25) 5(-2.438,-0.25) 6(-2.438,-0.75) 7(-2.438,-1.25) 8(-2.438,-1.75) 17(2.438,-1.75) 18(2.438,-1.25) 19(2.438,-0.75) 20(2.438,-0.25) 21(2.438,0.25) 22(2.438,0.75) 23(2.438,1.25) 24(2.438,1.75)
  rrect 0.25x0.875 smd: 9(-1.75,-2.438) 10(-1.25,-2.438) 11(-0.75,-2.438) 12(-0.25,-2.438) 13(0.25,-2.438) 14(0.75,-2.438) 15(1.25,-2.438) 16(1.75,-2.438) 25(1.75,2.438) 26(1.25,2.438) 27(0.75,2.438) 28(0.25,2.438) 29(-0.25,2.438) 30(-0.75,2.438) 31(-1.25,2.438) 32(-1.75,2.438)
  round 0.5 hole 0.2: 33(-1,1) 33(-1,0) 33(-1,-1) 33(0,1) 33(0,0) 33(0,-1) 33(1,1) 33(1,0) 33(1,-1)
  rrect 2.5x2.5 smd far side: 33(0,0)
  rrect 2.9x2.9 smd: 33(0,0)
R_0603_1608Metric
  rrect 0.875x0.95 smd: 1(-0.787,0) 2(0.787,0)
R_1206_3216Metric_Pad1.42x1.75mm_HandSolder
  rrect 1.425x1.75 smd: 1(-1.488,0) 2(1.488,0)
rfm0505
  rrect 1.8x3 hole 1: 1(0,0)
  oval 1.8x3 hole 1: 2(2.54,0) 3(5.08,0) 4(7.62,0)
rj45x2_0845-2G1T-H5
  round 1.5 hole 0.9: 1(-6.03,5.26) 2(-4.02,5.26) 3(-2.01,5.26) 4(0,5.26) 5(2.01,5.26) 6(4.02,5.26) 7(6.03,5.26) 8(-6.03,15.67) 9(-4.02,15.67) 10(-2.01,15.67) 11(0,15.67) 12(2.01,15.67) 13(4.02,15.67) 14(6.03,15.67)
  round 1.6 hole 1: 15(-5.945,-2.84) 16(-3.91,-2.84) 17(3.91,-2.84) 18(5.945,-2.84) 19(-5.46,22.02) 20(-2.92,22.02) 21(2.92,22.02) 22(5.46,22.02)
  round 2.2 hole 1.57: 23(-8.382,11.811) 24(8.407,11.811) 27(-8.382,-4.572) 28(8.407,-4.572)
  round 3.5 hole 3.25: 25(-6.555,0) 26(6.555,0)
slot
  oval 0.01x0.01 smd: (0,0)
SOIC-8_3.9x4.9mm_P1.27mm
  oval 2x0.8 smd: 1(-2.7,1.905) 2(-2.7,0.635) 3(-2.7,-0.635) 4(-2.7,-1.905) 5(2.7,-1.905) 6(2.7,-0.635) 7(2.7,0.635) 8(2.7,1.905)
SOIC-16W_5.3x10.2mm_P1.27mm
  oval 2.5x0.8 smd: 1(-3.55,4.445) 2(-3.55,3.175) 3(-3.55,1.905) 4(-3.55,0.635) 5(-3.55,-0.635) 6(-3.55,-1.905) 7(-3.55,-3.175) 8(-3.55,-4.445) 9(3.55,-4.445) 10(3.55,-3.175) 11(3.55,-1.905) 12(3.55,-0.635) 13(3.55,0.635) 14(3.55,1.905) 15(3.55,3.175) 16(3.55,4.445)
SOIC-16W_7.5x10.3mm_P1.27mm
  oval 2x0.8 smd: 1(-4.65,4.445) 2(-4.65,3.175) 3(-4.65,1.905) 4(-4.65,0.635) 5(-4.65,-0.635) 6(-4.65,-1.905) 7(-4.65,-3.175) 8(-4.65,-4.445) 9(4.65,-4.445) 10(4.65,-3.175) 11(4.65,-1.905) 12(4.65,-0.635) 13(4.65,0.635) 14(4.65,1.905) 15(4.65,3.175) 16(4.65,4.445)
SOIJ-8_5.3x5.3mm_P1.27mm
  oval 2x0.8 smd: 1(-3.65,1.905) 2(-3.65,0.635) 3(-3.65,-0.635) 4(-3.65,-1.905) 5(3.65,-1.905) 6(3.65,-0.635) 7(3.65,0.635) 8(3.65,1.905)
SolderJumper-2_P1.3mm_Open_RoundedPad1.0x1.5mm
  custom 1x1.5 smd: 1(-0.65,0) 2(0.65,0)
SOT-23-6
  rrect 1.2x0.65 smd: 1(-1.2,0.95) 2(-1.2,0) 3(-1.2,-0.95) 4(1.2,-0.95) 5(1.2,0) 6(1.2,0.95)
SOT-223
  rect 2x1.5 smd: 1(-3.15,2.3) 2(-3.15,0) 3(-3.15,-2.3)
  rect 2x3.8 smd: 4(3.15,0)
SSO-8_6.7x9.8mm_P2.54mm_Clearance8mm
  rrect 2.5x1.5 smd: 1(-4.5,3.81) 2(-4.5,1.27) 3(-4.5,-1.27) 4(-4.5,-3.81) 5(4.5,-3.81) 6(4.5,-1.27) 7(4.5,1.27) 8(4.5,3.81)
SSO-8_7.6x5.9mm_P1.27mm_Clearance9.1mm
  oval 2x0.8 smd: 1(-5.5,1.905) 2(-5.5,0.635) 3(-5.5,-0.635) 4(-5.5,-1.905) 5(5.5,-1.905) 6(5.5,-0.635) 7(5.5,0.635) 8(5.5,1.905)
tblock02x03
  rrect 3x4 hole 1.5: 1(-5.08,0) 2(0,0) 3(5.08,0) 4(5.08,10.16) 5(0,10.16) 6(-5.08,10.16)
tblock02x04
  rrect 3x4 hole 1.5: 1a(-7.62,0) 1b(-7.62,10.16) 2a(-2.54,0) 2b(-2.54,10.16) 3a(2.54,0) 3b(2.54,10.16) 4a(7.62,0) 4b(7.62,10.16)
tblock02x4_3.81
  oval 2.5x3 hole 1.3: 1a(-5.715,0) 1b(-5.715,12.7) 2a(-1.905,0) 2b(-1.905,12.7) 3a(1.905,0) 3b(1.905,12.7) 4a(5.715,0) 4b(5.715,12.7)
tblock02x6_3.81
  oval 2.5x3 hole 1.3: 1a(-9.525,0) 1b(-9.525,12.7) 2a(-5.715,0) 2b(-5.715,12.7) 3a(-1.905,0) 3b(-1.905,12.7) 4a(1.905,0) 4b(1.905,12.7) 5a(5.715,0) 5b(5.715,12.7) 6a(9.525,0) 6b(9.525,12.7)
tblock02x10_3.81
  oval 2.5x3 hole 1.3: 1a(-17.145,0) 1b(-17.145,12.7) 2a(-13.335,0) 2b(-13.335,12.7) 3a(-9.525,0) 3b(-9.525,12.7) 4a(-5.715,0) 4b(-5.715,12.7) 5a(-1.905,0) 5b(-1.905,12.7) 6a(1.905,0) 6b(1.905,12.7) 7a(5.715,0) 7b(5.715,12.7) 8a(9.525,0) 8b(9.525,12.7) 9a(13.335,0) 9b(13.335,12.7) 10a(17.145,0) 10b(17.145,12.7)
wire_bridge_38mm
  round 2 hole 0.9: 1(0,0) 2(38,0)
wire_bridge_44mm
  round 2 hole 0.9: 1(0,0) 2(44,0)

## Nets
1V2C: C712.2 C714.2 JP503.1 U706.2 U706.4
1V2uC: C504.1 C506.1 C512.1 C514.1 C516.1 C524.1 C530.1 L503.2 U301.E9 U301.E11 U301.F9 U301.F11 U301.G14 U301.G15 U301.J14 U301.J15 U301.K5 U301.K6 U301.P10 U301.P13 U301.R10 U301.R13
3V3: C202.2 C204.1 C205.1 C207.1 C209.1 C211.1 C214.2 C216.2 C404.2 C405.1 C407.1 C408.1 C409.1 C410.1 C411.1 C412.1 C414.1 C418.1 C419.1 C422.1 C423.1 C426.2 C427.2 C428.2 C429.2 C603.2 C703.2 C704.2 C705.2 C825.1 C826.1 C833.1 C834.1 C903.2 C904.2 C913.2 C914.2 C917.2 C1101.2 C1106.2 C1201.2 C1204.2 C1603.2 C1604.2 C1813.1 C1818.1 C1901.2 C1914.2 D603.2 D604.2 D708.1 D1401.2 D1402.2 IC301.5 IC302.5 IC303.5 IC304.5 IC305.5 IC306.5 J201.7 J201.12 J401.2 J401.5 J401.9 J401.12 J601.4 J1401.1 JP501.1 JP502.1 R202.2 R204.2 R205.1 R206.1 R207.1 R208.1 R209.1 R211.1 R212.1 R213.1 R412.1 R413.1 R414.1 R415.1 R416.1 R417.1 R418.1 R419.2 R420.2 R422.2 R425.2 R427.1 R429.1 R430.1 R431.1 R432.1 R433.1 R434.1 R435.1 R437.1 R438.1 R440.1 R441.1 R442.1 R445.1 R446.1 R705.1 U201.14 U201.21 U401.8 U402.14 U402.21 U403.14 U403.21 U602.3 U602.7 U602.8 U702.3 U706.3 U801.1 U802.1 U813.1 U814.1 U901.8 U902.8 U903.1 U903.7 U904.8 U905.8 U1101.16 U1104.16 U1201.1 U1202.1 U1202.7 U1601.8 U1602.8 U1801.16 U1802.16 U1901.1 U1908.1 Y201.1 Y201.4 Y401.1 Y401.4 Y402.1 Y402.4
3V3A: C303.1 C304.1 C520.1 C529.2 L502.2 R301.2 U301.P6 U301.R6
3V3uC: C501.1 C502.1 C503.1 C505.1 C507.1 C511.1 C515.1 C517.1 C518.1 C519.1 C521.1 C523.1 C525.1 C531.2 L501.2 R604.1 R605.1 R610.1 U301.A9 U301.A18 U301.B1 U301.E7 U301.E10 U301.E13 U301.E16 U301.F4 U301.F7 U301.F10 U301.F13 U301.F16 U301.G4 U301.G5 U301.G6 U301.H5 U301.H6 U301.H16 U301.H17 U301.L14 U301.L15 U301.M1 U301.M5 U301.M6 U301.N14 U301.N15 U301.P9 U301.R9 U301.R11 U301.R12 U301.V19 U301.W8 Y601.1 Y601.4
5VB: L1603.1 L1604.1 R703.2
5VC: C701.2 C702.2 C1403.1 C1504.2 C1505.2 C1508.2 C1510.2 C1511.2 C1512.2 D707.1 IC201.5 J601.2 J1401.17 J1401.18 JP701.2 R210.1 U702.1 U1401.5 U1501.9 U1502.9 U1503.9 U1504.9 U1505.9 U1506.9
5VH: C708.2 C710.2 JP706.1 PS702.4 R702.1 R706.1
5VI: C1001.2 C1102.2 C1103.2 C1104.2 C1105.2 C1202.2 C1203.2 C1904.2 C1905.2 C1910.2 C1913.2 D703.1 J1001.1a J1001.1b J1101.1a J1101.1b J1201.1a J1201.1b J1901.1a J1901.1b JP702.2 JP704.1 R1001.1 R1004.1 R1007.1 R1010.1 R1101.1 R1104.1 R1107.1 R1110.1 R1113.1 R1116.1 R1119.1 R1122.1 R1201.1 R1204.1 R1903.1 R1906.1 R1911.1 R1914.1 U1001.4 U1001.16 U1101.1 U1102.4 U1102.16 U1103.4 U1103.16 U1104.1 U1201.8 U1202.16 U1901.16 U1904.6 U1904.12 U1904.16 U1905.6 U1905.12 U1905.16 U1908.16
5VP: C828.1 C829.1 C830.1 C831.1 C832.1 C835.1 C836.1 C837.1 C838.1 C839.1 C840.1 C841.1 C842.1 C905.2 C906.2 C911.2 C912.2 C918.2 C1814.1 C1815.1 C1816.1 C1817.1 D704.1 J1704.9 J1704.10 J1704.31 J1704.32 J1704.33 J1704.34 J1705.9 J1705.10 J1705.31 J1705.32 J1705.33 J1705.34 JP704.2 R907.1 R910.1 R912.1 R914.1 R916.1 U801.16 U802.16 U803.5 U804.5 U805.5 U806.5 U807.5 U808.5 U809.5 U810.5 U811.5 U812.5 U813.16 U814.16 U901.1 U902.1 U903.16 U904.1 U905.1 U1801.1 U1802.1 U1803.5 U1804.5
/ac_in/5VC_IN: JP701.1 PS701.4 R701.1
/uc_power/1V2uC_in: C526.2 JP503.2 L503.1
/uc_power/3V3A_in: C508.2 JP502.2 L502.1
/uc_power/3V3uC_in: JP501.2 L501.1
